# Altium PCB PCB-ESP32_IoT-board.PcbDoc
Units mil, origin at the board's own origin, x right, y up, seen from the top; angles counter-clockwise.
Board outline 1462.63 x 1752.98 mil, 2 copper layers (Top Layer, Bottom Layer); 61 components, 57 nets, 202 pads, 94 vias.
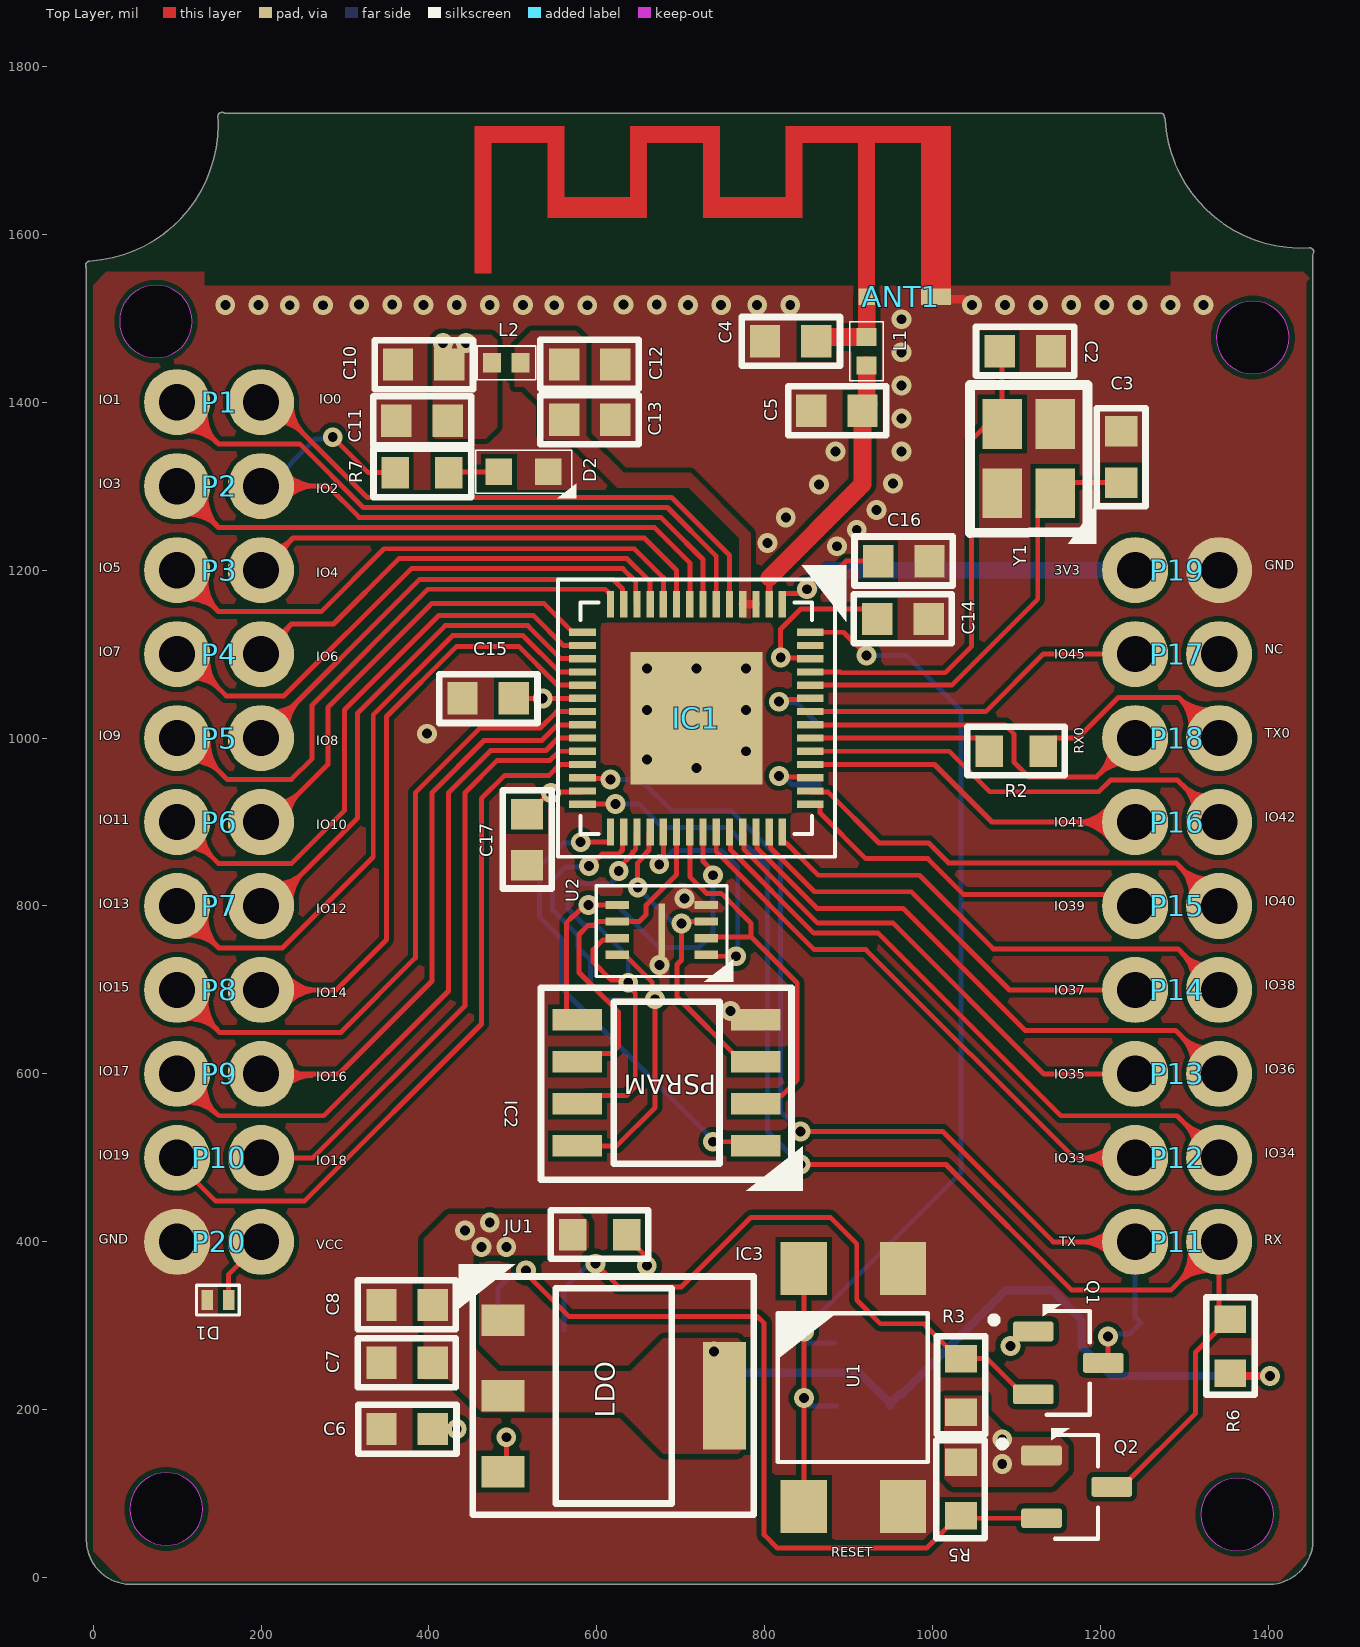
[diagram p0: Top Layer view]
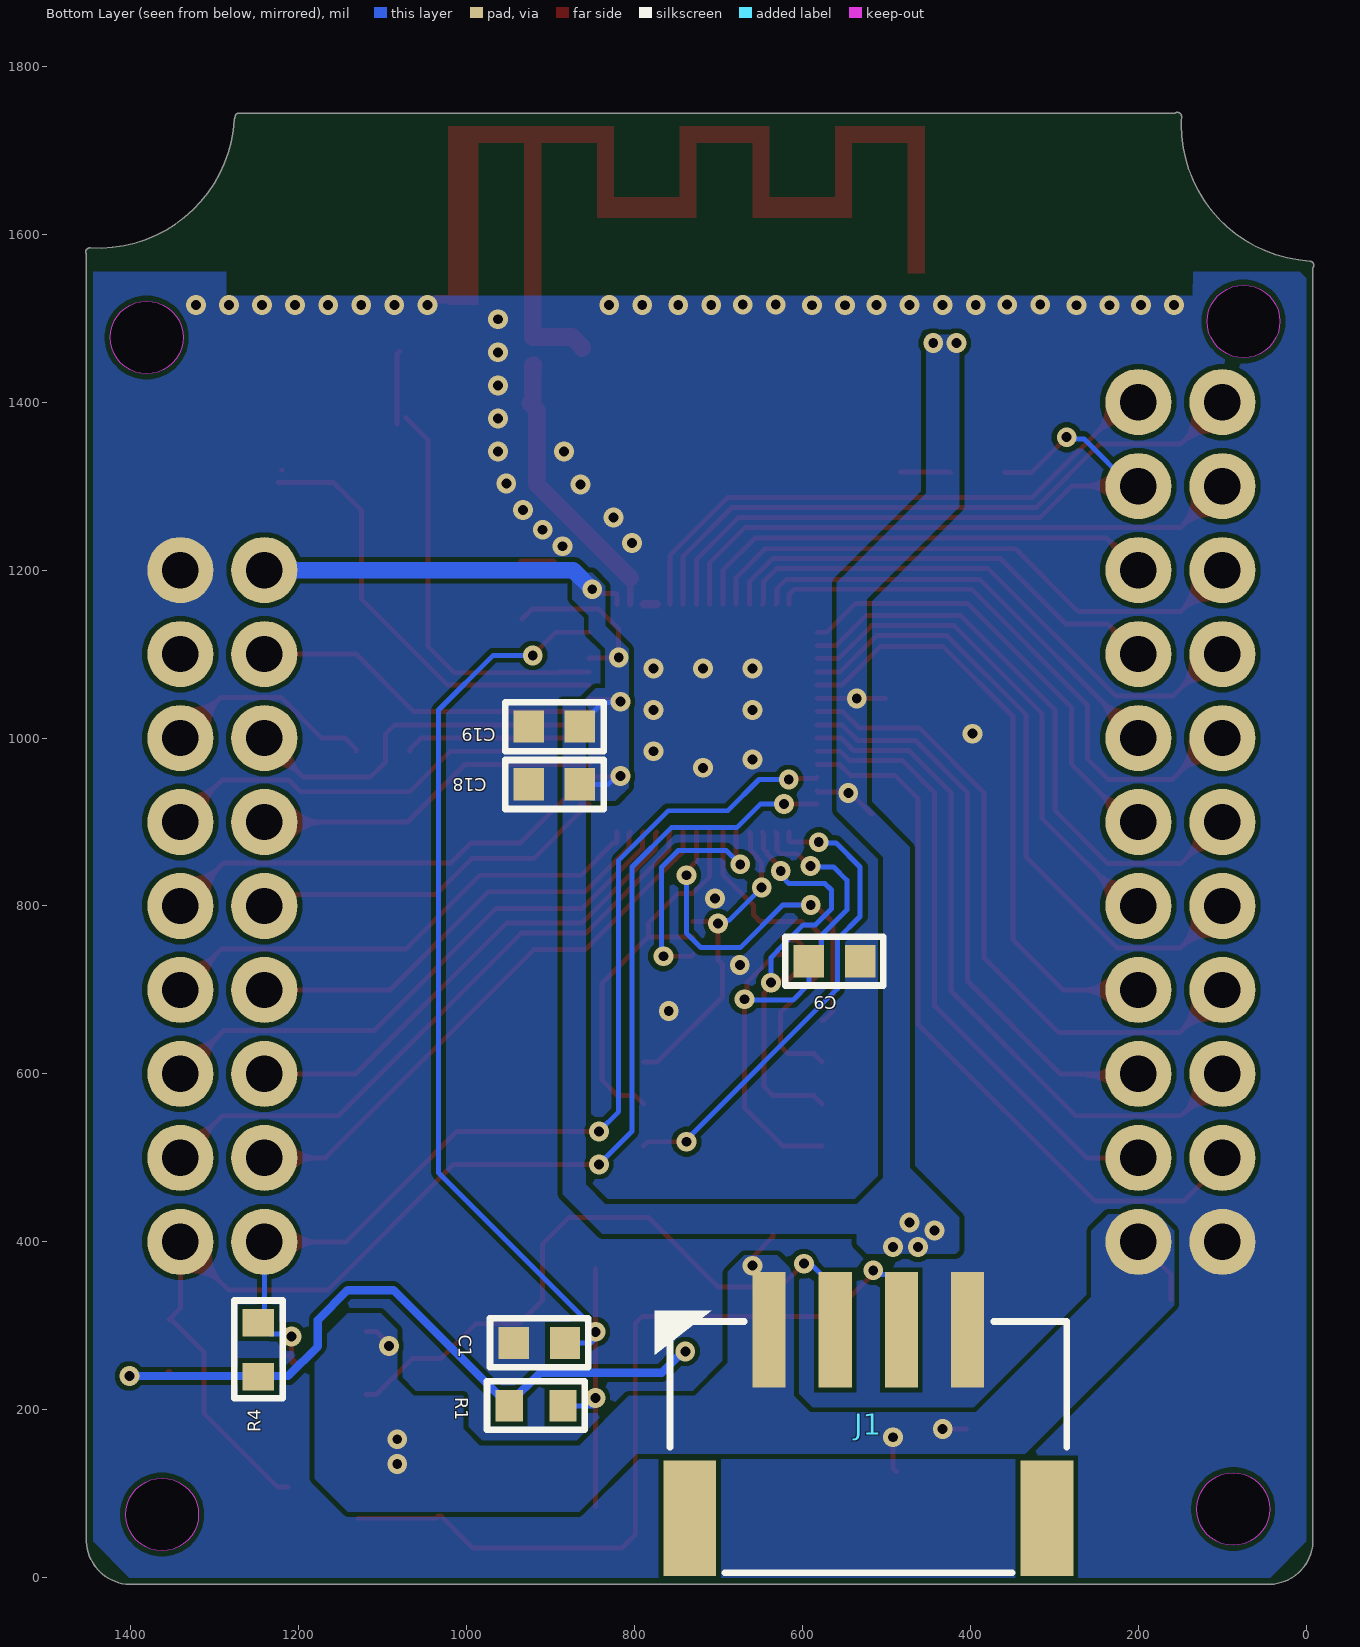
[diagram p1: Bottom Layer view, seen from below]

## Layer stack, top to bottom
Top Solder: solder mask 0.4, Solder Resist, Dk 3.5
Top Layer: signal copper 1.4
Dielectric 1: dielectric 12.6, FR-4, Dk 4.8
Bottom Layer: signal copper 1.4
Bottom Solder: solder mask 0.4, Solder Resist, Dk 3.5

## Board outline
-7.89,47.51 -7.89,1560.03 cw(c-3.94,1562.99) -4.23,1567.92 ccw(c-13.78,1730.32) 148.9,1730.32 ccw(c-13.78,1730.32) 148.62,1739.87 cw(c153.54,1740.16) 156.5,1744.11 1271.65,1744.11 cw(c1271.65,1740.16) 1275.61,1740.16 1276.58,1736.51 ccw(c1438.98,1746.06) 1448.53,1583.67 cw(c1448.82,1578.74) 1453.76,1578.74 1452.77,1575.78 1452.77,43.3 1452.77,43.15 cw(c1399.61,45.27) 1405.95,-7.55 1404.35,-7.89 43.3,-7.89 43.14,-7.89 cw(c45.27,45.28)
cut-out: 1319.34,75.38 ccw(c1362.64,75.38) 1362.64,32.07 ccw(c1362.64,75.38) 1405.95,75.38 ccw(c1362.64,75.38) 1362.64,118.69 ccw(c1362.64,75.38)
cut-out: 1337.76,1477.02 ccw(c1381.06,1477.02) 1381.06,1433.71 ccw(c1381.06,1477.02) 1424.37,1477.02 ccw(c1381.06,1477.02) 1381.06,1520.33 ccw(c1381.06,1477.02)
cut-out: 31.5,1496.06 ccw(c74.8,1496.06) 74.8,1452.76 ccw(c74.8,1496.06) 118.11,1496.06 ccw(c74.8,1496.06) 74.8,1539.37 ccw(c74.8,1496.06)
cut-out: 43.88,81.85 ccw(c87.19,81.85) 87.19,38.54 ccw(c87.19,81.85) 130.5,81.85 ccw(c87.19,81.85) 87.19,125.15 ccw(c87.19,81.85)

## Design rules (kind name [scope] priority, off if disabled: settings)
Clearance [All] p1: gap=5.91 ignorepadtopadclearanceinfootprint=FALSE
HoleSize [All] p1: absolutevalues=TRUE maxlimit=393.7 minlimit=7.87 maxpercent=80.000 minpercent=20.000
HoleToHoleClearance [All] p1: gap=7.87 allowstackedmicrovias=TRUE
MinimumSolderMaskSliver [All] p1: minsoldermaskwidth=3.94
PlaneClearance [All] p1: clearance=11.81
PolygonConnect [All] p1: connectstyle=Direct reliefconductorwidth=10 reliefentries=4 polygonreliefangle="90 Angle" airgapwidth=10
RoutingVias [All] p1: holewidth=11.81 width=23.62 viastyle="Through Hole" minholewidth=11.81 minwidth=23.62 maxholewidth=11.81 maxwidth=23.62
SilkToSilkClearance [All] p1: silktosilkclearance=3.94
SilkToSolderMaskClearance [IsPad] p1: minsilkscreentomaskgap=3.94 clearancetoexposedcopper=TRUE
SolderMaskExpansion [All] p1: expansion=3.94 istentingtop=FALSE
SupplyNets "Schematic Supply Nets_4" [InNet('+3V3D')] p1: voltage=0.000
SupplyNets "Schematic Supply Nets_3" [InNet('VCC')] p2: voltage=0.000
SupplyNets "Schematic Supply Nets_2" [InNet('VDD_SPI')] p3: voltage=0.000
SupplyNets "Schematic Supply Nets_1" [InNet('+3V3')] p4: voltage=0.000
SupplyNets "Schematic Supply Nets" [InNet('GND')] p5: voltage=0.000
Width [InNetClass('ANT')] p1: maxlimit=21.05 minlimit=21.05 preferedwidth=21.05 impedanceprofiledriven=TRUE impedanceprofileid={77EAC448-5833-459B-B511-79A3A1B05455} impedanceprofilevalue=50.000000 minimp=50.000000 maximp=50.000000 favimp=50.000000
24 further rules are at their usual default settings.

## Classes and differential pairs
net class ANT: NetANT1_2
component class Peripheralls_and_power_Supply: C6 C7 C8 C9 C10 C11 C12 C13 C14 C15 C16 C17 C18 C19 D1 D2 IC3 J1 JU1 L2 P1 P2 P3 P4 P5 P6 P7 P8 P9 P10 P11 P12 P13 P14 P15 P16 P17 P18 P19 P20 Q1 Q2 R3 R4 R5 R6 R7 TP1 TP2
component class MCU: ANT1 C1 C2 C3 C4 C5 IC1 IC2 L1 R1 R2 U1 U2 Y1

## Components (designator, comment, footprint, x,y, rotation, side; value= is the part's Value field where it differs from the comment)
ANT1 "ANTEENA" Antenna_2.4GHz 731.11,1630.92 r0 top
C1 "CAP_0603" CAP_0603 913.39,279.53 r0 bottom
C2 "CAP_0603" CAP_0603 1110.24,1460.63 r180 top
C3 "CAP_0603" CAP_0603 1224.41,1334.65 r270 top
C4 "CAP_0603" CAP_0603 830.71,1472.44 r0 top
C5 "CAP_0603" CAP_0603 885.83,1389.76 r0 top
C6 "CAP_0603" CAP_0603 374.02,177.17 r0 top
C7 "CAP_0603" CAP_0603 374.02,255.91 r180 top
C8 "CAP_0603" CAP_0603 374.02,324.8 r180 top
C9 "CAP_0603" CAP_0603 562.01,734.25 r0 bottom
C10 "CAP_0603" CAP_0603 393.7,1444.88 r0 top
C11 "CAP_0603" CAP_0603 391.73,1377.95 r0 top
C12 "CAP_0603" CAP_0603 591.54,1444.88 r180 top
C13 "CAP_0603" CAP_0603 591.54,1378.94 r180 top
C14 "CAP_0603" CAP_0603 964.57,1141.73 r180 top
C15 "CAP_0603" CAP_0603 470.47,1047.24 r0 top
C16 "CAP_0603" CAP_0603 965.55,1210.63 r180 top
C17 "CAP_0603" CAP_0603 516.73,878.94 r90 top
C18 "CAP_0603" CAP_0603 895.67,944.88 r180 bottom
C19 "CAP_0603" CAP_0603 895.67,1013.78 r180 bottom
D1 "TVS_DIODE_3.6V" ESD_DIODE 153.54,302.17 r270 top
D2 "LED0603" LED0603 512.8,1316.93 r180 top
IC1 "ESP32-S2" QFN-56 718.5,1023.62 r270 top
IC2 "PSRAM" "SOIC8 _PSRAM" 683.07,589.37 r180 top
IC3 "LDO" AMS1117 620.08,216.54 r0 top
J1 "S4B-PH-SM4-TB_LF__SN_" S4B-PH-SM4-TB 403.54,295.28 r0 bottom
JU1 "JUMER" JUMPER 610.24,403.54 r90 top
L1 "IND_0402" IND_0402 921.26,1460.63 r270 top value=SC
L2 "IND_0402" IND_0402 492.13,1446.85 r0 top value=SC
P1 "PIN OUT" PIN_OUT -1700,1800 r0 top
P2 "PIN OUT" PIN_OUT -1700,1700 r0 top
P3 "PIN OUT" PIN_OUT -1700,1600 r0 top
P4 "PIN OUT" PIN_OUT -1700,1500 r0 top
P5 "PIN OUT" PIN_OUT -1700,1400 r0 top
P6 "PIN OUT" PIN_OUT -1700,1300 r0 top
P7 "PIN OUT" PIN_OUT -1700,1200 r0 top
P8 "PIN OUT" PIN_OUT -1700,1100 r0 top
P9 "PIN OUT" PIN_OUT -1700,1000 r0 top
P10 "PIN OUT" PIN_OUT -1700,900 r0 top
P11 "PIN OUT" PIN_OUT 3140.94,0 r180 top
P12 "PIN OUT" PIN_OUT -559.06,900 r0 top
P13 "PIN OUT" PIN_OUT -559.06,1000 r0 top
P14 "PIN OUT" PIN_OUT -559.06,1100 r0 top
P15 "PIN OUT" PIN_OUT -559.06,1200 r0 top
P16 "PIN OUT" PIN_OUT -559.06,1300 r0 top
P17 "PIN OUT" PIN_OUT -559.06,1500 r0 top
P18 "PIN OUT" PIN_OUT -559.06,1400 r0 top
P19 "PIN OUT" PIN_OUT -559.06,1600 r0 top
P20 "PIN OUT" PIN_OUT 2000,0 r180 top
Q1 "LOGIC SHIFTER MOSFET" "BSS138_SOT-23-3 (TO-236)" 1161.42,255.91 r0 top
Q2 "LOGIC SHIFTER MOSFET" "BSS138_SOT-23-3 (TO-236)" 1171.26,108.27 r0 top
R1 "RES_0603" RES_0603 917.32,204.72 r90 bottom
R2 "RES_0603" RES_0603 1099.41,984.25 r90 top
R3 "RES_0603" RES_0603 1033.46,228.9 r0 top
R4 "RES_0603" RES_0603 1248.03,271.65 r180 bottom
R5 "RES_0603" RES_0603 1033.46,105.75 r180 top
R6 "RES_0603" RES_0603 1354.33,275.59 r0 top
R7 "RES_0603" RES_0603 391.73,1315.94 r270 top
U1 "TACT SWITCH" SW_TL3305AF260QG 905.51,226.38 r0 top
U2 "NOR FLASH IC" "FLASH USON2x3x0.6mm" 677.17,771.65 r180 top
Y1 "CRYSTAL" 3225_CRYSTA_4P 984.25,1251.97 r90 top

## Footprints (in the part's own frame and the unit in brackets; to place one, negate y for a bottom-side part, rotate by r counter-clockwise, add the part's x,y. Pads: shape width x height; smd on the part's side, far side on the other; paste and mask are expansions set on the pad)
3225_CRYSTA_4P [mm]
  rect 1.5x1.2 smd: 1(1,-4.1) 2(1,-2.5) 2(3.1,-4.1) 3(3.1,-2.5)
  silkscreen extent -0.53,-5.35 4.28,-1.52, body extent 0.48,-4.55 3.68,-2.05, height 0.8
AMS1117 [mm]
  rect 1.3x0.95 smd: 1(-3.35,2.29) 2(-3.35,0) 3(-3.35,-2.29)
  rect 1.3x3.25 smd: 2(3.35,0)
  silkscreen extent -4.69,-3.6 4.24,3.98, body extent -3.5,-3.25 3.5,3.25, height 1.8
Antenna_2.4GHz [mm]
  rect 0.9x0.5 smd: 1(6.93,-2.675)
  rect 0.5x0.5 smd: 2(4.83,-2.675)
  Top Layer region: 7.38,-2.925 6.48,-2.925 6.48,1.975 5.08,1.975 5.08,-2.925 4.58,-2.925 4.58,1.975 2.88,1.975 2.88,-0.285 -0.12,-0.285 -0.12,1.975 -1.82,1.975 -1.82,-0.285 -4.82,-0.285 -4.82,1.975 -6.52,1.975 -6.52,-1.965 -7.02,-1.965 -7.02,2.475 -4.32,2.475 -4.32,0.335 -2.32,0.335 -2.32,2.475 0.38,2.475 0.38,0.335 2.38,0.335 2.38,2.475 7.38,2.475 7.38,-2.925
"BSS138_SOT-23-3 (TO-236)" [mm]
  rrect25% 1.23x0.6 smd: 1(-1.06,0.95) 2(-1.06,-0.95) 3(1.06,0)
  silkscreen extent -2.35,-1.57 0.65,1.78, body extent -1.38,-1.45 1.12,1.45, height 1.1
CAP_0603 [mm]
  rect 0.92x0.98 smd: 1(-0.775,0) 2(0.775,0)
  silkscreen extent -1.48,-0.74 1.49,0.74, body extent -1.23,-0.4 1.23,0.4, height 0.8
ESD_DIODE [mm]
  rect 0.6x0.35 smd: 1(-0.725,0.2) 2(-0.725,-0.45)
  silkscreen extent -1.18,-0.77 -0.28,0.53, body extent -1.1,-0.62 -0.45,0.43, height 0.42
"FLASH USON2x3x0.6mm" [mil]
  rect 28x10 smd paste+0 mask+0: 1(-53.06,29.53) 2(-53.06,9.84) 3(-53.06,-9.84) 4(-53.06,-29.53) 5(53.06,-29.53) 6(53.05,-9.84) 7(53.05,9.84) 8(53.06,29.53)
  rect 8x63 smd paste+0 mask+0: 9(0,0)
  silkscreen extent -85,-52 78,62, body extent -60,-39 58,40, height 24
IND_0402 [mm]
  rect 0.54x0.6 smd: 1(-0.432,0) 2(0.432,0)
  silkscreen extent -0.89,-0.51 0.89,0.51, body extent -0.48,-0.28 0.52,0.22, height 0.55
JUMPER [mm]
  rect 0.96x0.83 smd: 1(0.125,0.989) 2(0.125,-0.639)
  silkscreen extent -0.6,-1.29 0.87,1.66
LED0603 [mm]
  rect 0.8x0.8 smd: A(0.75,0) C(-0.75,0)
  silkscreen extent -1.6,-0.65 1.45,0.8, body extent -0.8,-0.4 0.8,0.4, height 0.65
PIN_OUT [mm]
  round 2 hole 1.1: 1(45.72,-10.16) 2(48.26,-10.16)
QFN-56 [mm]
  rect 0.81x0.22 smd: 1(-3.445,2.6) 2(-3.445,2.2) 3(-3.445,1.8) 4(-3.445,1.4) 5(-3.445,1) 6(-3.445,0.6) 7(-3.445,0.2) 8(-3.445,-0.2) 9(-3.445,-0.6) 10(-3.445,-1) 11(-3.445,-1.4) 12(-3.445,-1.8) 13(-3.445,-2.2) 14(-3.445,-2.6) 29(3.445,-2.6) 30(3.445,-2.2) 31(3.445,-1.8) 32(3.445,-1.4) 33(3.445,-1) 34(3.445,-0.6) 35(3.445,-0.2) 36(3.445,0.2) 37(3.445,0.6) 38(3.445,1) 39(3.445,1.4) 40(3.445,1.8) 41(3.445,2.2) 42(3.445,2.6)
  rect 0.22x0.81 smd: 15(-2.6,-3.445) 16(-2.2,-3.445) 17(-1.8,-3.445) 18(-1.4,-3.445) 19(-1,-3.445) 20(-0.6,-3.445) 21(-0.2,-3.445) 22(0.2,-3.445) 23(0.6,-3.445) 24(1,-3.445) 25(1.4,-3.445) 26(1.8,-3.445) 27(2.2,-3.445) 28(2.6,-3.445) 43(2.6,3.445) 44(2.2,3.445) 45(1.8,3.445) 46(1.4,3.445) 47(1,3.445) 48(0.6,3.445) 49(0.2,3.445) 50(-0.2,3.445) 51(-0.6,3.445) 52(-1,3.445) 53(-1.4,3.445) 54(-1.8,3.445) 55(-2.2,3.445) 56(-2.6,3.445)
  rect 4x4 smd: 57(0,0)
  silkscreen extent -4.63,-4.19 4.19,4.53, body extent -3.49,-3.47 3.51,3.53, height 0.9
RES_0603 [mm]
  rect 0.96x0.83 smd: 1(0,0.814) 2(0,-0.814)
  silkscreen extent -0.72,-1.47 0.74,1.49, body extent -0.4,-1.23 0.4,1.23, height 0.8
S4B-PH-SM4-TB [mm]
  rect 1x3.5 smd: 1(6,0) 2(4,0) 3(2,0) 4(0,0)
  rect 1.6x3.5 smd: 5(-2.4,5.7) 6(8.4,5.7)
  silkscreen extent -3,-0.58 9.46,7.35, body extent -2.95,-1.43 8.95,7.44, height 5.6
"SOIC8 _PSRAM" [mm]
  rect 1.5x0.65 smd: 1(-2.7,1.905) 2(-2.7,0.635) 3(-2.7,-0.635) 4(-2.7,-1.905) 5(2.7,-1.905) 6(2.7,-0.635) 7(2.7,0.635) 8(2.7,1.905)
  silkscreen extent -4.12,-2.88 3.8,3.26, body extent -3,-2.45 3,2.45, height 1.75
SW_TL3305AF260QG [mm]
  rect 1.4x1.6 smd: 1(-1.5,3.6) 2(-1.5,-3.6) 3(1.5,3.6) 4(1.5,-3.6)
  silkscreen extent -2.29,-2.25 2.25,2.25, body extent -2.25,-3.75 2.25,3.75, height 3.8

## Part data
C1 C2 C3 C4 C5 C6 C7 C8 C9 C10 C11 C12 C13 C14 C15 C16 C17 C18 C19: Package="1608 AVX"
D2: "White LED Indication - Discrete 2.93V 0603 (1608 Metric)", Package="0603 Lite-On", Availability=Warning, Check_prices=https://www.snapeda.com/parts/LTW-C191TS5/Lite-On%20Inc./view-part/46909/?ref=eda, MF="Lite-On Inc.", MP=LTW-C191TS5, Price=None, Purchase-URL=https://pricing.snapeda.com/search/part/LTW-C191TS5/?ref=eda, SnapEDA_Link=https://www.snapeda.com/parts/LTW-C191TS5/Lite-On%20Inc./view-part/46909/?ref=snap
IC1: "SMD WI-FI IC, ESP32-S2, SINGAL-C", Package=None, MF="Espressif Systems", MP=ESP32-S2, Price=None
IC2: library part LY68L6400SLIT, "SOP-8_150mil  SRAM ROHS", Manufacturer_Name="Lyontek Inc.", Datasheet Link=https://datasheet.lcsc.com/szlcsc/Lyontek-Inc-LY68L6400SLIT_C261881.pdf, Height=1.75mm, Manufacturer_Part_Number=LY68L6400SLIT
IC3: library part AMS1117-3.3, "Integrated Circuit", Manufacturer_Name=Advanced, Datasheet Link=https://datasheet.datasheetarchive.com/originals/distributors/Datasheets-28/DSA-550594.pdf, Height=1.8mm, Manufacturer_Part_Number=AMS1117-3.3
J1: "Connector", Arrow Part Number=S4B-PH-SM4-TB(LF)(SN), Manufacturer_Name="JST (JAPAN SOLDERLESS TERMINALS)", Arrow Price/Stock=https://www.arrow.com/en/products/s4b-ph-sm4-tb-lf-sn/jst-manufacturing?region=europe, Datasheet Link=http://uk.rs-online.com/web/p/products/6881366, Manufacturer_Part_Number=S4B-PH-SM4-TB(LF)(SN)
JU1: library part JUMPER, "RES_0603"
L1 L2: library part IND_2.0nH_0402, "Inductor RF Chip Multi-Layer 2nH 0.3nH 100MHz 8Q-Factor Air 900mA 90mOhm DCR 0402 Automotive T/R", Package=None, Availability=Unavailable, MP=LQG15HZ2N0S02D, Price=None
Q1 Q2: library part BSS138, "N-Channel 50V 220mA (Ta) 360mW (Ta) Surface Mount SOT-23-3", Package=None, Availability=Unavailable, MP=BSS138, Price=None
U1: library part TL3305AF260QG, "Tactile Switch SPST-NO Top Actuated Surface Mount", Package="SMD-4 E-Switch", Availability="In Stock", Check_prices=https://www.snapeda.com/parts/TL3305AF260QG/E-Switch/view-part/?ref=eda, MF=E-Switch, MP=TL3305AF260QG, Price=None, Purchase-URL=https://pricing.snapeda.com/search/part/TL3305AF260QG/?ref=eda, SnapEDA_Link=https://www.snapeda.com/parts/TL3305AF260QG/E-Switch/view-part/?ref=snap
U2: library part W25Q16JVUXIQ, "FLASH - NOR Memory IC 16Mb (2M x 8) SPI - Quad I/O 133 MHz 6 ns 8-USON (2x3)", Mfr_Name=Winbond, Copyright="Copyright (C) 2022 Ultra Librarian. All rights reserved.", Manufacturer_Part_Number=W25Q16JVUXIQ, RefDes=RefDes, Type=DEV
Y1: library part CRYSTAL_40MhZ_10ppm_15pF, "CRYSTAL_40MhZ_10ppm_15pF"

## Via types
v1: diameter 23.62, hole 11.81, Top Layer to Bottom Layer, tented both sides, 94 vias

## Nets (pads, with @x,y where several pads share a name; then routed paths per layer and width w, separated by ;. In a path a pad name is that pad's centre, name@x,y a point inside that pad or via, vN(x,y) a via of type N, cw(c..) or ccw(c..) an arc to the next point about the centre after c; other vN are vias at no path point)
+3V3: C7.1 C8.1 C10.2 C11.2 C14.2 C15.2 C16.2 C17.2 C18.2 C19.2 IC1.1 IC1.20 IC1.27 IC1.45 IC1.51 IC1.54 IC3.2 JU1.1 L2.1 P19.1 R1.1 R4.2 R6.2 | length 1948.2
  Top Layer w5.91: C15.2 IC1.20 ; C17.2 517.91,909.45 543.08,934.61 v1(545.47,934.61) 546.67,935.81 581.67,935.81 IC1.27 ; v1(816.93,954.72) 817.91,953.74 853.15,953.74 IC1.45 ; v1(816.93,1043.31) 819.49,1045.87 852.76,1045.87 IC1.51 ; IC1.1 820.87,1170.87 822.24,1172.24 840.68,1172.24 845.6,1177.17 v1(850.39,1177.17) 874.83,1201.6 887.6,1201.6 896.63,1210.63 C16.2 ; IC1.54 853.37,1095.26 819.67,1095.26 v1(818.9,1096.03) 818.9,1129.92 842.52,1153.54 922.24,1153.54 C14.2
  Top Layer w9.84: R6.2 1357.72,240.16 v1(1401.57,240.16)
  Bottom Layer w5.91: v1(816.93,954.72) 821.72,954.72 831.57,944.88 C18.2 ; v1(816.93,1043.31) 817.72,1042.52 837.6,1042.52 865.16,1014.96 C19.2
  Bottom Layer w9.84: v1@740.16,271.65 767.72,244.09 912.56,244.09 R1.1@949.37,207.28 ; R1.1 R1.1@949.37,207.28 ; v1(1401.57,240.16) 1248.58,240.16 R4.2 1247.48,240.16 1212.6,240.16 1177.17,275.59 1177.17,307.09 1141.73,342.52 1087.17,342.52 963.35,218.7 960.79,218.7 R1.1@949.37,207.28
  Bottom Layer w19.68: v1(850.39,1177.17) 873.23,1200 P19.1
  other v1: 739.6,269.59 462.6,393.7 492.13,393.7 442.91,413.39 472.44,423.23 535.43,1047.24 416.76,1470.38 444.32,1470.38
+3V3D: C12.2 C13.2 IC1.3 IC1.4 L2.2 | length 15.7
  Top Layer w9.84: IC1.4 IC1.3
CHIP_PU: C1.1 IC1.56 R1.2 U1.1 U1.2 | length 1397.7
  Top Layer w5.91: U1.2 v1(846.46,214.14) v1(846.46,292.88) U1.1 ; IC1.56 893.7,1125.98 v1(921.26,1098.43)
  Bottom Layer w5.91: v1@846.46,206.69 848.43,204.72 R1.2 ; v1@846.46,285.43 852.36,279.53 C1.1 ; v1(846.46,292.88) 846.46,295.28 1033.46,482.28 1033.46,1033.46 968.5,1098.43 v1(921.26,1098.43)
GND: ANT1.1 C1.2 C2.1 C3.1 C4.1 C5.1 C6.1 C7.2 C8.2 C9.1 C10.1 C11.1 C12.1 C13.1 C14.1 C15.1 C16.1 C17.1 C18.1 C19.1 D1.2 D2.C IC1.57 IC2.4 IC3.1 J1.4 P19.2 P20.2 U1.3 U1.4 U2.4 U2.9 Y1.2 | length 46.9
  Top Layer w9.84: ANT1.1 1007.1,1522.43 1036.42,1522.43 1043.06,1515.79 v1(1046.78,1515.79)
  other v1: 759.28,675.1 674.67,729.79 704.16,808.96 718.5,964.57 659.45,974.41 777.56,984.25 397.73,1005.17 659.45,1033.46 777.56,1033.46 659.45,1082.68 718.5,1082.68 777.56,1082.68 885.83,1228.35 803.15,1232.28 909.45,1248.03 824.98,1262.47 933.07,1271.65 864.35,1301.84 952.76,1303.15 884.03,1341.21 962.77,1341.21 962.77,1380.58 962.77,1419.95 962.77,1459.32 962.77,1498.69 234.27,1515.43 273.64,1515.43 549.23,1515.43 588.6,1515.43 157.48,1515.75 196.85,1515.75 316.91,1516.07 356.28,1516.07 393.7,1515.75 433.07,1515.75 472.44,1515.75 511.81,1515.75 631.87,1516.07 671.24,1516.07 708.66,1515.75 748.03,1515.75 790.88,1515.79 830.25,1515.79 1086.15,1515.79 1125.52,1515.79 1164.89,1515.79 1204.26,1515.79 1243.63,1515.79 1283,1515.79 1322.37,1515.79
IO0: IC1.5 P1.2 | length 691.7
  Top Layer w5.91: P1.2 213.1,1400 326.69,1286.42 688.95,1286.42 757.87,1217.49 IC1.5
IO1: IC1.6 P1.1 | length 775.4
  Top Layer w5.91: P1.1 149.61,1350.39 246.01,1350.39 321.79,1274.61 684.06,1274.61 742.13,1216.54 IC1.6
IO2: IC1.7 P2.2 R7.2 | length 817.3
  Top Layer w5.91: P2.2 279.7,1300 316.9,1262.8 676.18,1262.8 684.84,1254.13 726.38,1212.6 IC1.7 ; v1(285.43,1358.27) 327.76,1315.94 R7.2
  Bottom Layer w5.91: P2.2 208.51,1300 264.76,1356.25 283.42,1356.25 v1(285.43,1358.27)
IO3: IC1.8 P2.1 | length 697.9
  Top Layer w5.91: P2.1 149.44,1250.56 668.73,1250.56 710.63,1208.66 IC1.8
IO4: IC1.9 P3.2 | length 567.1
  Top Layer w5.91: P3.2 238.19,1238.19 656.5,1238.19 694.88,1199.8 IC1.9
IO5: IC1.10 P3.1 | length 676.5
  Top Layer w5.91: P3.1 149.41,1150.59 271.65,1150.59 346.46,1225.39 644.68,1225.39 679.13,1190.94 IC1.10
IO6: IC1.11 P4.2 | length 548.6
  Top Layer w5.91: P4.2 235.83,1135.83 286.42,1135.83 364.17,1213.58 635.8,1213.58 663.39,1185.99 IC1.11
IO7: IC1.12 P4.1 | length 663.8
  Top Layer w5.91: P4.1 108.66,1100 158.46,1050.2 227.36,1050.2 378.94,1201.77 630.91,1201.77 646.26,1186.42 646.26,1160.63 IC1.12
IO8: IC1.13 P5.2 | length 532.5
  Top Layer w5.91: P5.2 388.98,1188.98 619.22,1188.98 630.51,1177.68 630.51,1160.63 IC1.13
IO9: IC1.14 P5.1 | length 682
  Top Layer w5.91: P5.1 110.24,1000 159.45,950.79 236.22,950.79 260.83,975.39 260.83,1039.37 398.62,1177.17 609.84,1177.17 616.14,1170.87 IC1.14
IO10: IC1.15 P6.2 | length 544.8
  Top Layer w5.91: P6.2 211.02,900 279.53,968.5 279.53,1036.42 403.54,1160.43 536.81,1160.43 571.26,1125.98 IC1.15
IO11: IC1.16 P6.1 | length 710.7
  Top Layer w5.91: P6.1 149.61,850.39 236.22,850.39 299.21,913.39 299.21,1033.46 411.42,1145.67 524.61,1145.67 560.04,1110.24 IC1.16
IO12: IC1.17 P7.2 | length 610.7
  Top Layer w5.91: P7.2 210.43,800 314.96,904.53 314.96,1029.53 419.29,1133.86 517.72,1133.86 557.09,1094.49 IC1.17
IO13: IC1.18 P7.1 | length 774.8
  Top Layer w5.91: P7.1 150,750 225.39,750 333.66,858.27 333.66,1027.56 428.15,1122.05 511.81,1122.05 555.12,1078.74 IC1.18
IO14: IC1.19 P8.2 | length 727.2
  Top Layer w5.91: P8.2 289.57,700 349.41,759.84 349.41,1025.59 433.07,1109.25 506.89,1109.25 551.19,1064.95 553.15,1062.99 IC1.19
IO15: IC1.21 P8.1 | length 777.2
  Top Layer w5.91: P8.1 150.39,649.61 295.28,649.61 383.86,738.19 383.86,935.04 460.98,1012.16 532.83,1012.16 552.17,1031.5 IC1.21
IO16: IC1.22 P9.2 | length 686.5
  Top Layer w5.91: P9.2 292.91,600 403.54,710.63 403.54,935.04 465.55,997.05 534.42,997.05 553.12,1015.75 IC1.22
IO17: IC1.23 P9.1 | length 828.2
  Top Layer w5.91: P9.1 149.8,550.2 274.61,550.2 423.23,698.82 423.23,935.04 473.43,985.24 539.31,985.24 554.08,1000 IC1.23
IO18: IC1.24 P10.2 | length 732.2
  Top Layer w5.91: P10.2 261.81,500 442.91,681.1 442.91,935.04 481.3,973.43 544.2,973.43 555.03,984.25 IC1.24
IO19: IC1.25 P10.1 | length 880
  Top Layer w5.91: P10.1 100,494.49 145.67,448.82 251.97,448.82 462.6,659.45 462.6,928.15 489.73,955.28 542.76,955.28 555.99,968.5 IC1.25
IO20: IC1.26 P11.2 Q1.3 R4.1 | length 1256.6
  Top Layer w5.91: IC1.26 583.97,951.65 615.28,951.65 v1(616.38,950.55) ; v1(842.52,531.5) 1011.81,531.5 1143.31,400 P11.2 ; v1(1208.66,287.4) 1208.66,256.89 1207.68,255.91 Q1.3 Q1.3@1212.01,264.76
  Bottom Layer w5.91: v1(616.38,950.55) 651.82,950.55 688.98,913.39 759.84,913.39 818.9,854.33 818.9,555.12 v1(842.52,531.5) ; v1(1208.66,287.4) 1211.57,290.31 1234.65,290.31 R4.1 1240.94,310.79 P11.2
IO21: IC1.28 P11.1 Q2.3 R6.1 | length 1571
  Top Layer w5.91: IC1.28 583.03,921.42 621.92,921.42 v1(622.08,921.57) ; v1(842.52,492.13) 1015.75,492.13 1165.35,342.52 1283.46,342.52 P11.1 1340.94,321.02 R6.1 1351.77,307.64 1312.99,268.86 1312.99,195.87 1225.39,108.27 Q2.3
  Bottom Layer w5.91: v1(622.08,921.57) 649.89,921.57 677.76,893.7 755.91,893.7 803.15,846.46 803.15,562.99 803.25,562.89 803.25,531.4 v1(842.52,492.13)
IO33: IC1.37 P12.1 | length 673.1
  Top Layer w5.91: IC1.37 742.13,864.8 751.42,855.51 858.9,748.03 920.28,748.03 1168.31,500 P12.1
IO34: IC1.38 P12.2 | length 755.4
  Top Layer w5.91: IC1.38 759.25,886.61 759.25,866.69 858.23,767.72 935.04,767.72 1152.56,550.2 1290.75,550.2 P12.2
IO35: IC1.39 P13.1 | length 597.7
  Top Layer w5.91: IC1.39 775,886.61 775,867.65 863.12,779.53 952.76,779.53 1132.28,600 P13.1
IO36: IC1.40 P13.2 | length 681.4
  Top Layer w5.91: IC1.40 790.75,886.61 790.75,868.6 862.11,797.24 964.57,797.24 1110.04,651.77 1289.17,651.77 P13.2
IO37: IC1.41 P14.1 | length 523.7
  Top Layer w5.91: IC1.41 806.5,886.61 806.5,869.56 859.13,816.93 974.41,816.93 1091.34,700 P14.1
IO38: IC1.42 P14.2 | length 604.7
  Top Layer w5.91: IC1.42 820.87,876.38 822.24,875 825.31,875 863.7,836.61 984.25,836.61 1071.85,749.02 1291.93,749.02 P14.2
IO39: IC1.43 P15.1 | length 442.3
  Top Layer w5.91: IC1.43 864.37,921.26 865.75,919.88 865.75,910.83 920.28,856.3 994.09,856.3 1036.46,813.94 1227.01,813.94 P15.1
IO40: IC1.44 P15.2 | length 543.6
  Top Layer w5.91: IC1.44 855.52,935.63 875.39,935.63 936.02,875 995.08,875 1018.7,851.38 1289.57,851.38 P15.2
IO41: IC1.46 P16.1 | length 415.2
  Top Layer w5.91: IC1.46 1001.97,968.5 1070.47,900 P16.1
IO42: IC1.47 P16.2 | length 533.2
  Top Layer w5.91: IC1.47 1019.6,984.25 1067.83,936.02 1197.83,936.02 1211.61,949.8 1291.34,949.8 1340.94,900.2 P16.2
IO45: IC1.50 P17.1 | length 415.2
  Top Layer w5.91: IC1.50 1062.99,1031.5 1131.5,1100 P17.1
IO64: IC1.55
LNA_IN: C5.2 IC1.2 L1.2 | length 328.4
  Top Layer w7.87: IC1.2 805.12,1190.94
  Top Layer w21.05: 805.12,1190.94 916.34,1302.17 C5.2 ; C5.2@916.34,1390.94 C5.2@923.93,1398.53 ; L1.2@920.08,1443.62 L1.2 C5.2@921.26,1403.74
NetANT1_2: ANT1.2 C4.2 L1.1 | length 113.1
  Top Layer w21.05: C4.2@862.2,1464.57 862.2,1465.75 874.09,1477.64 L1.1 ANT1.2
NetD2_A: D2.A R7.1 | length 59.9
  Top Layer w5.91: R7.1 424.76,1316.93 D2.A
NetIC1_48: IC1.48 R2.1 | length 221.1
  Top Layer w5.91: IC1.48 1053.98,1000 1067.36,986.61 R2.1
RX1: J1.3 Q2.2 R5.1 | length 1009.3
  Top Layer w5.91: v1(515.75,366.14) 515.75,362.2 566.93,311.02 791.34,311.02 799.21,303.15 799.21,51.18 814.96,35.43 992.64,35.43 1030.91,73.7 R5.1 1036.3,70.87 Q2.2
  Bottom Layer w5.91: J1.3 482.28,344.49 499.02,361.22 506.03,361.22 510.95,366.14 v1(515.75,366.14)
RXD0: IC1.49 P18.1 | length 451.2
  Top Layer w5.91: IC1.49 1085.63,1015.75 1096.46,1004.92 1096.46,971.49 1114.2,953.74 1194.69,953.74 P18.1
SPICLK: IC1.34 IC2.6 U2.6 | length 412.7
  Top Layer w5.91: IC2.6 586.61,624.21 617.32,624.21 625.98,632.87 625.98,673.53 578.74,720.77 578.74,766.04 589.27,776.57 596.33,776.57 601.25,781.5 650.59,781.5 658.46,789.37 658.46,800.98 694.88,837.4 IC1.34
SPICS0: IC1.33 U2.1 | length 292.4
  Top Layer w5.91: v1(674.21,849.62) 674.21,854.42 679.13,859.34 IC1.33 ; U2.1 732.19,740.16 v1(765.75,740.16)
  Bottom Layer w5.91: v1(674.21,849.62) 690.73,866.14 748.03,866.14 767.72,846.46 767.72,742.13 v1(765.75,740.16)
SPICS1: IC1.29 IC2.1 | length 571.7
  Top Layer w5.91: v1(580.71,875.98) 614.76,875.98 616.14,877.36 IC1.29 ; v1(738.19,519.26) 784.48,519.26 IC2.1
  Bottom Layer w5.91: v1(580.71,875.98) 579.72,875 560.04,875 531.5,846.46 531.5,787.4 558.46,760.43 558.46,701.38 v1@738.19,521.65
SPID: IC1.36 IC2.5 U2.5 | length 494.1
  Top Layer w5.91: IC2.5 573.82,664.37 563.98,674.21 563.98,780.57 570.91,787.5 571.68,787.5 585.38,801.2 v1(590.18,801.2) ; v1@590.18,799.21 592.16,801.19 U2.5 ; IC1.36 726.38,853.22 738.19,841.41 v1(738.19,836.61)
  Bottom Layer w5.91: v1(590.18,801.2) 623.44,801.2 674.18,750.46 720.93,750.46 738.19,767.72 v1(738.19,836.61)
SPIDH: IC1.31 IC2.7 U2.7 | length 582.8
  Top Layer w5.91: IC2.7 586.61,574.21 635.24,574.21 645.67,584.65 645.67,696.33 637.36,704.65 v1(637.36,708.65) 633.97,712.04 616.7,712.04 595.47,733.27 595.47,748.03 607.2,759.76 622.06,759.76 U2.7 ; v1(625.98,841.54) 625.98,845.5 642.32,861.84 642.32,863.67 646.26,867.6 646.26,886.61 IC1.31
  Bottom Layer w5.91: v1(625.98,841.54) 625.98,836.74 619.87,830.63 619.87,830.23 616.41,826.77 573.34,826.77 565.55,818.98 565.55,796.6 584.59,777.56 599.14,777.56 629.59,747.11 629.59,746.51 637.36,738.74 v1(637.36,708.65)
SPIQ: IC1.35 IC2.2 U2.2 | length 473.5
  Top Layer w5.91: IC1.35 710.63,834.94 730.53,815.04 747.89,815.04 783.58,779.34 783.58,763.27 ; U2.2 731.68,763.27 783.58,763.27 ; IC2.2 799.21,574.21 820.28,574.21 838.58,592.52 838.58,708.27 783.58,763.27
SPIWP: IC1.32 IC2.3 U2.3 | length 389.7
  Top Layer w5.91: v1(648.62,821.85) 648.62,851.44 654.13,856.95 654.13,858.77 662.01,866.65 662.01,886.61 IC1.32 ; U2.3 700.79,781.5 700.79,735.71 695.34,730.26 695.34,691.66 772.64,614.37 IC2.3
  Bottom Layer w5.91: v1(648.62,821.85) 687.98,782.49 697.4,782.49 v1(700.79,779.1)
TX1: J1.2 Q1.2 R3.1 | length 792.2
  Top Layer w5.91: v1(598.43,374.02) 625.98,346.46 700.79,346.46 783.46,429.13 877.95,429.13 909.45,397.64 909.45,330.71 937.64,302.52 989.33,302.52 1030.91,260.94 R3.1 1064.84,260.94 1107.28,218.5 Q1.2
  Bottom Layer w5.91: J1.2 561.02,344.49 587.16,370.63 595.04,370.63 v1(598.43,374.02)
TXD0: P18.2 R2.2 | length 257.5
  Top Layer w5.91: R2.2 1131.46,986.81 1144.84,1000.2 1172.94,1000.2 1220.97,1048.23 1292.72,1048.23 P18.2
VCC: C6.2 D1.1 IC3.3 J1.1 JU1.2 P20.1 Q1.1 Q2.1 R3.2 R5.2 | length 237
  Top Layer w5.91: D1.1 161.42,361.42 P20.1 ; C6.2 v1(433.07,177.17) ; IC3.3 492.13,130.32 v1(492.13,167.32) ; JU1.2 635.39,405.91 659.45,381.85 v1@659.45,374.02 ; v1@1092.52,275.59 1092.52,278.54 1107.28,293.31 Q1.1
  other v1: 1082.68,135.4 1082.68,164.93 1092.52,276.15 659.45,371.62
VDD_SPI: C9.2 IC1.30 IC2.8 U2.8 | length 665.2
  Top Layer w5.91: IC2.8 623.62,514.37 669.29,560.04 v1(669.29,688.98) 665.9,692.37 665.9,709.33 633.11,742.13 U2.8 ; v1(590.67,847.44) 591.54,847.44 606.3,862.2 625.98,862.2 630.51,866.73 630.51,886.61 IC1.30
  Bottom Layer w5.91: v1(590.67,847.44) 589.68,846.46 562.99,846.46 547.24,830.71 547.24,795.28 577.36,765.16 577.36,750.59 592.52,735.43 592.52,706.69 611.23,687.98 668.3,687.98 v1(669.29,688.98)
XTAL_N: C3.2 IC1.52 Y1.1 | length 533
  Top Layer w5.91: IC1.52 1022.64,1062.99 1125,1165.35 1125,1270.67 Y1.1 1158.46,1304.13 C3.2 ; C3.2@1219.29,1318.9 C3.2@1220.47,1318.9
XTAL_P: C2.2 IC1.53 Y1.3 | length 578.2
  Top Layer w5.91: IC1.53 889.76,1078.74 890.75,1077.76 1014.76,1077.76 1046.26,1109.25 1046.26,1355.32 Y1.3@1072.83,1381.89 ; C2.2 1082.68,1457.68 Y1.3 ; C2.2@1083.66,1446.85 C2.2@1083.66,1448.03
pads on no net: J1.5 J1.6 P17.2

## Polygon pours and split planes (outlines as drawn)
GND on Bottom Layer "gnd" (solid, pour order 11): 1444.88,1555.12 1444.88,43.31 1401.57,0 43.31,0 0,43.31 0,1547.24 7.87,1555.12 15.75,1555.12
+3V3 on Bottom Layer "gnd" (solid, pour order 10): 523.62,1055.12 523.62,1165.35 413.39,1275.59 413.39,1480.32 452.76,1480.32 452.76,1291.34 559.06,1185.04 559.06,1055.12
VCC on Bottom Layer "gnd" (solid, pour order 0): 157.48,413.39 177.17,433.07 236.22,433.07 255.91,413.39 255.91,334.65 393.7,196.85 590.55,196.85 610.24,216.54 610.24,364.17 629.92,383.86 669.29,383.86 688.98,364.17 688.98,255.91 728.35,216.54 807.09,216.54 866.14,157.48 984.25,157.48 1003.94,177.17 1003.94,216.54 1062.99,216.54 1082.68,236.22 1082.68,295.28 1102.36,314.96 1141.73,314.96 1181.1,275.59 1181.1,118.11 1141.73,78.74 866.14,78.74 797.24,147.64 639.76,147.64 334.65,147.64 157.48,324.8 157.48,393.7
+3V3 on Bottom Layer "gnd" (solid, pour order 8): 535.43,444.88 834.65,444.88 858.27,468.5 858.27,1039.37 862.2,1043.31 885.83,1043.31 885.83,456.69 838.58,409.45 523.62,409.45 523.62,433.07
+3V3 on Bottom Layer "gnd" (solid, pour order 9): 853.9,926.72 852.37,925.2 822.83,925.2 807.09,940.94 807.09,1106.3 834.65,1133.86 834.65,1181.1 850.39,1196.85 870.08,1196.85 874.02,1192.91 874.02,1165.35 854.33,1145.67 854.33,1125.98 834.65,1106.3 834.65,1059.06 846.46,1059.06 862.2,1043.31 854.33,1035.43 854.33,929.13
+3V3 on Bottom Layer "gnd" (solid, pour order 7): 417.32,385.83 413.39,389.76 413.39,429.13 472.44,488.19 472.44,870.08 523.62,921.26 523.62,1062.99 527.56,1066.93 555.12,1066.93 559.05,1062.99 559.06,913.39 503.94,858.27 503.94,476.38 535.43,444.88 535.43,397.64 523.62,385.83
GND on Top Layer "gnd" (solid, pour order 12): 0,1543.31 11.81,1555.12 1440.94,1555.12 1448.82,1547.24 1444.88,1543.31 1444.88,27.56 1413.39,-3.94 35.43,-3.94 0,31.5 0,1539.37 15.75,1555.12
+3V3 on Top Layer "gnd" (solid, pour order 6): 590.55,393.7 590.55,423.23 580.71,433.07 423.23,433.07 393.7,403.54 393.7,383.86 580.71,383.86
+3V3 on Top Layer "gnd" (solid, pour order 5): 777.56,157.48 767.72,147.64 679.13,147.64 629.92,196.85 462.6,196.85 423.23,236.22 393.7,236.22 393.7,383.86 413.39,403.54 442.91,403.54 452.76,393.7 452.76,275.59 482.28,246.06 639.76,246.06 679.13,285.43 767.72,285.43 777.56,275.59
VCC on Top Layer "gnd" (solid, pour order 4): 1062.99,216.54 1062.99,196.85 1092.52,167.32 1151.57,167.32 1161.42,157.48 1161.42,127.95 1141.73,108.27 1023.62,108.27 1013.78,118.11 1013.78,216.54 1023.62,216.54
+3V3D on Top Layer "gnd" (solid, pour order 3): 501.97,1418.31 501.97,1465.55 521.65,1485.24 574.8,1485.24 588.58,1471.46 587.6,1470.47 587.6,1360.24 631.89,1315.94 711.61,1315.94 783.46,1244.09 783.46,1142.72 772.64,1142.72 769.68,1145.67 769.68,1238.19 709.65,1298.23 624.02,1298.23 567.91,1354.33 539.37,1354.33 533.46,1360.24 533.46,1397.64 512.8,1418.31
+3V3 on Top Layer "gnd" (solid, pour order 2): 404.53,1467.52 417.32,1480.32 474.41,1480.32 481.3,1473.43 481.3,1370.08 467.52,1356.3 407.48,1356.3 404.53,1359.25

## Other copper
Top Layer:
  pour cut-out: 132.53,1538.89 1283.46,1538.89 1283.46,1803.15 131.32,1791.84
Bottom Layer:
  pour cut-out: 135.07,1526.58 1286,1526.58 1286,1790.84 133.86,1779.53

## Silkscreen, mask and mechanical layers (free items; w line width, h text height)
Top Overlay:
  text "IO0" at 269.21,1393.68 h19.68
  text "IO1" at 6.97,1393.42 h19.68
  text "IO3" at 6.97,1293.42 h19.68
  text "IO2" at 265.63,1287.12 h19.68
  text "GND" at 1395.16,1196.17 h19.68
  text "IO5" at 6.97,1193.42 h19.68
  text "3V3" at 1144.37,1190.27 h19.68
  text "IO4" at 265.63,1187.12 h19.68
  text "NC" at 1395.16,1096.16 h19.68
  text "IO7" at 6.97,1093.42 h19.68
  text "IO45" at 1144.37,1090.27 h19.68
  text "IO6" at 265.63,1087.12 h19.68
  text "TX0" at 1395.16,996.17 h19.68
  text "IO9" at 6.97,993.42 h19.68
  text "IO8" at 265.63,987.12 h19.68
  text "RX0" at 1183.75,981.38 h19.68 r90
  text "IO42" at 1395.16,896.17 h19.68
  text "IO11" at 6.97,893.42 h19.68
  text "IO41" at 1144.37,890.27 h19.68
  text "IO10" at 265.63,887.12 h19.68
  text "IO40" at 1395.16,796.17 h19.68
  text "IO13" at 6.97,793.42 h19.68
  text "IO39" at 1144.37,790.27 h19.68
  text "IO12" at 265.63,787.12 h19.68
  text "IO38" at 1395.16,696.17 h19.68
  text "IO15" at 6.97,693.42 h19.68
  text "IO37" at 1144.37,690.27 h19.68
  text "IO14" at 265.63,687.12 h19.68
  text "IO36" at 1395.16,596.17 h19.68
  text "IO17" at 6.97,593.42 h19.68
  text "IO35" at 1144.37,590.27 h19.68
  text "IO16" at 265.63,587.12 h19.68
  text "IO34" at 1395.16,496.17 h19.68
  text "IO19" at 6.97,493.42 h19.68
  text "IO33" at 1144.37,490.27 h19.68
  text "IO18" at 265.63,487.12 h19.68
  text "GND" at 6.97,393.42 h19.68
  text "RX" at 1394.76,392.8 h19.68
  text "TX" at 1150.67,390.83 h19.68
  text "VCC" at 265.63,387.1 h19.68
  text "RESET" at 879.02,20.98 h19.68
Mechanical 1:
  lines w7.87: -3.94,39.37 -3.94,1562.99 ; -3.95,47.24 ccw(c45.27,45.28) 43.3,-3.94 1404.35,-3.94 ; 153.54,1740.16 1271.65,1740.16 ; 1404.35,-3.75 ccw(c1399.61,45.27) 1448.82,43.3 1448.82,1578.74
  lines w9.84: -3.94,1562.99 ccw(c-13.78,1730.32) 153.54,1740.16 ; 1271.65,1736.22 ccw(c1438.98,1746.06) 1448.82,1578.74